# Altium PCB Einsy_Rambo.PcbDoc (part 2 of 5)
Units mm, origin at the board's own origin, x right, y up, seen from the top; angles counter-clockwise.
Board outline 105 x 71 mm, 6 copper layers (Top, GND, Signal Layer 1, Supply, Signal Layer 2, Bottom), stack 1.571 mm thick; 417 components, 292 nets, 1436 pads, 925 vias.
Unrouted connection lines stored in the file: 3.
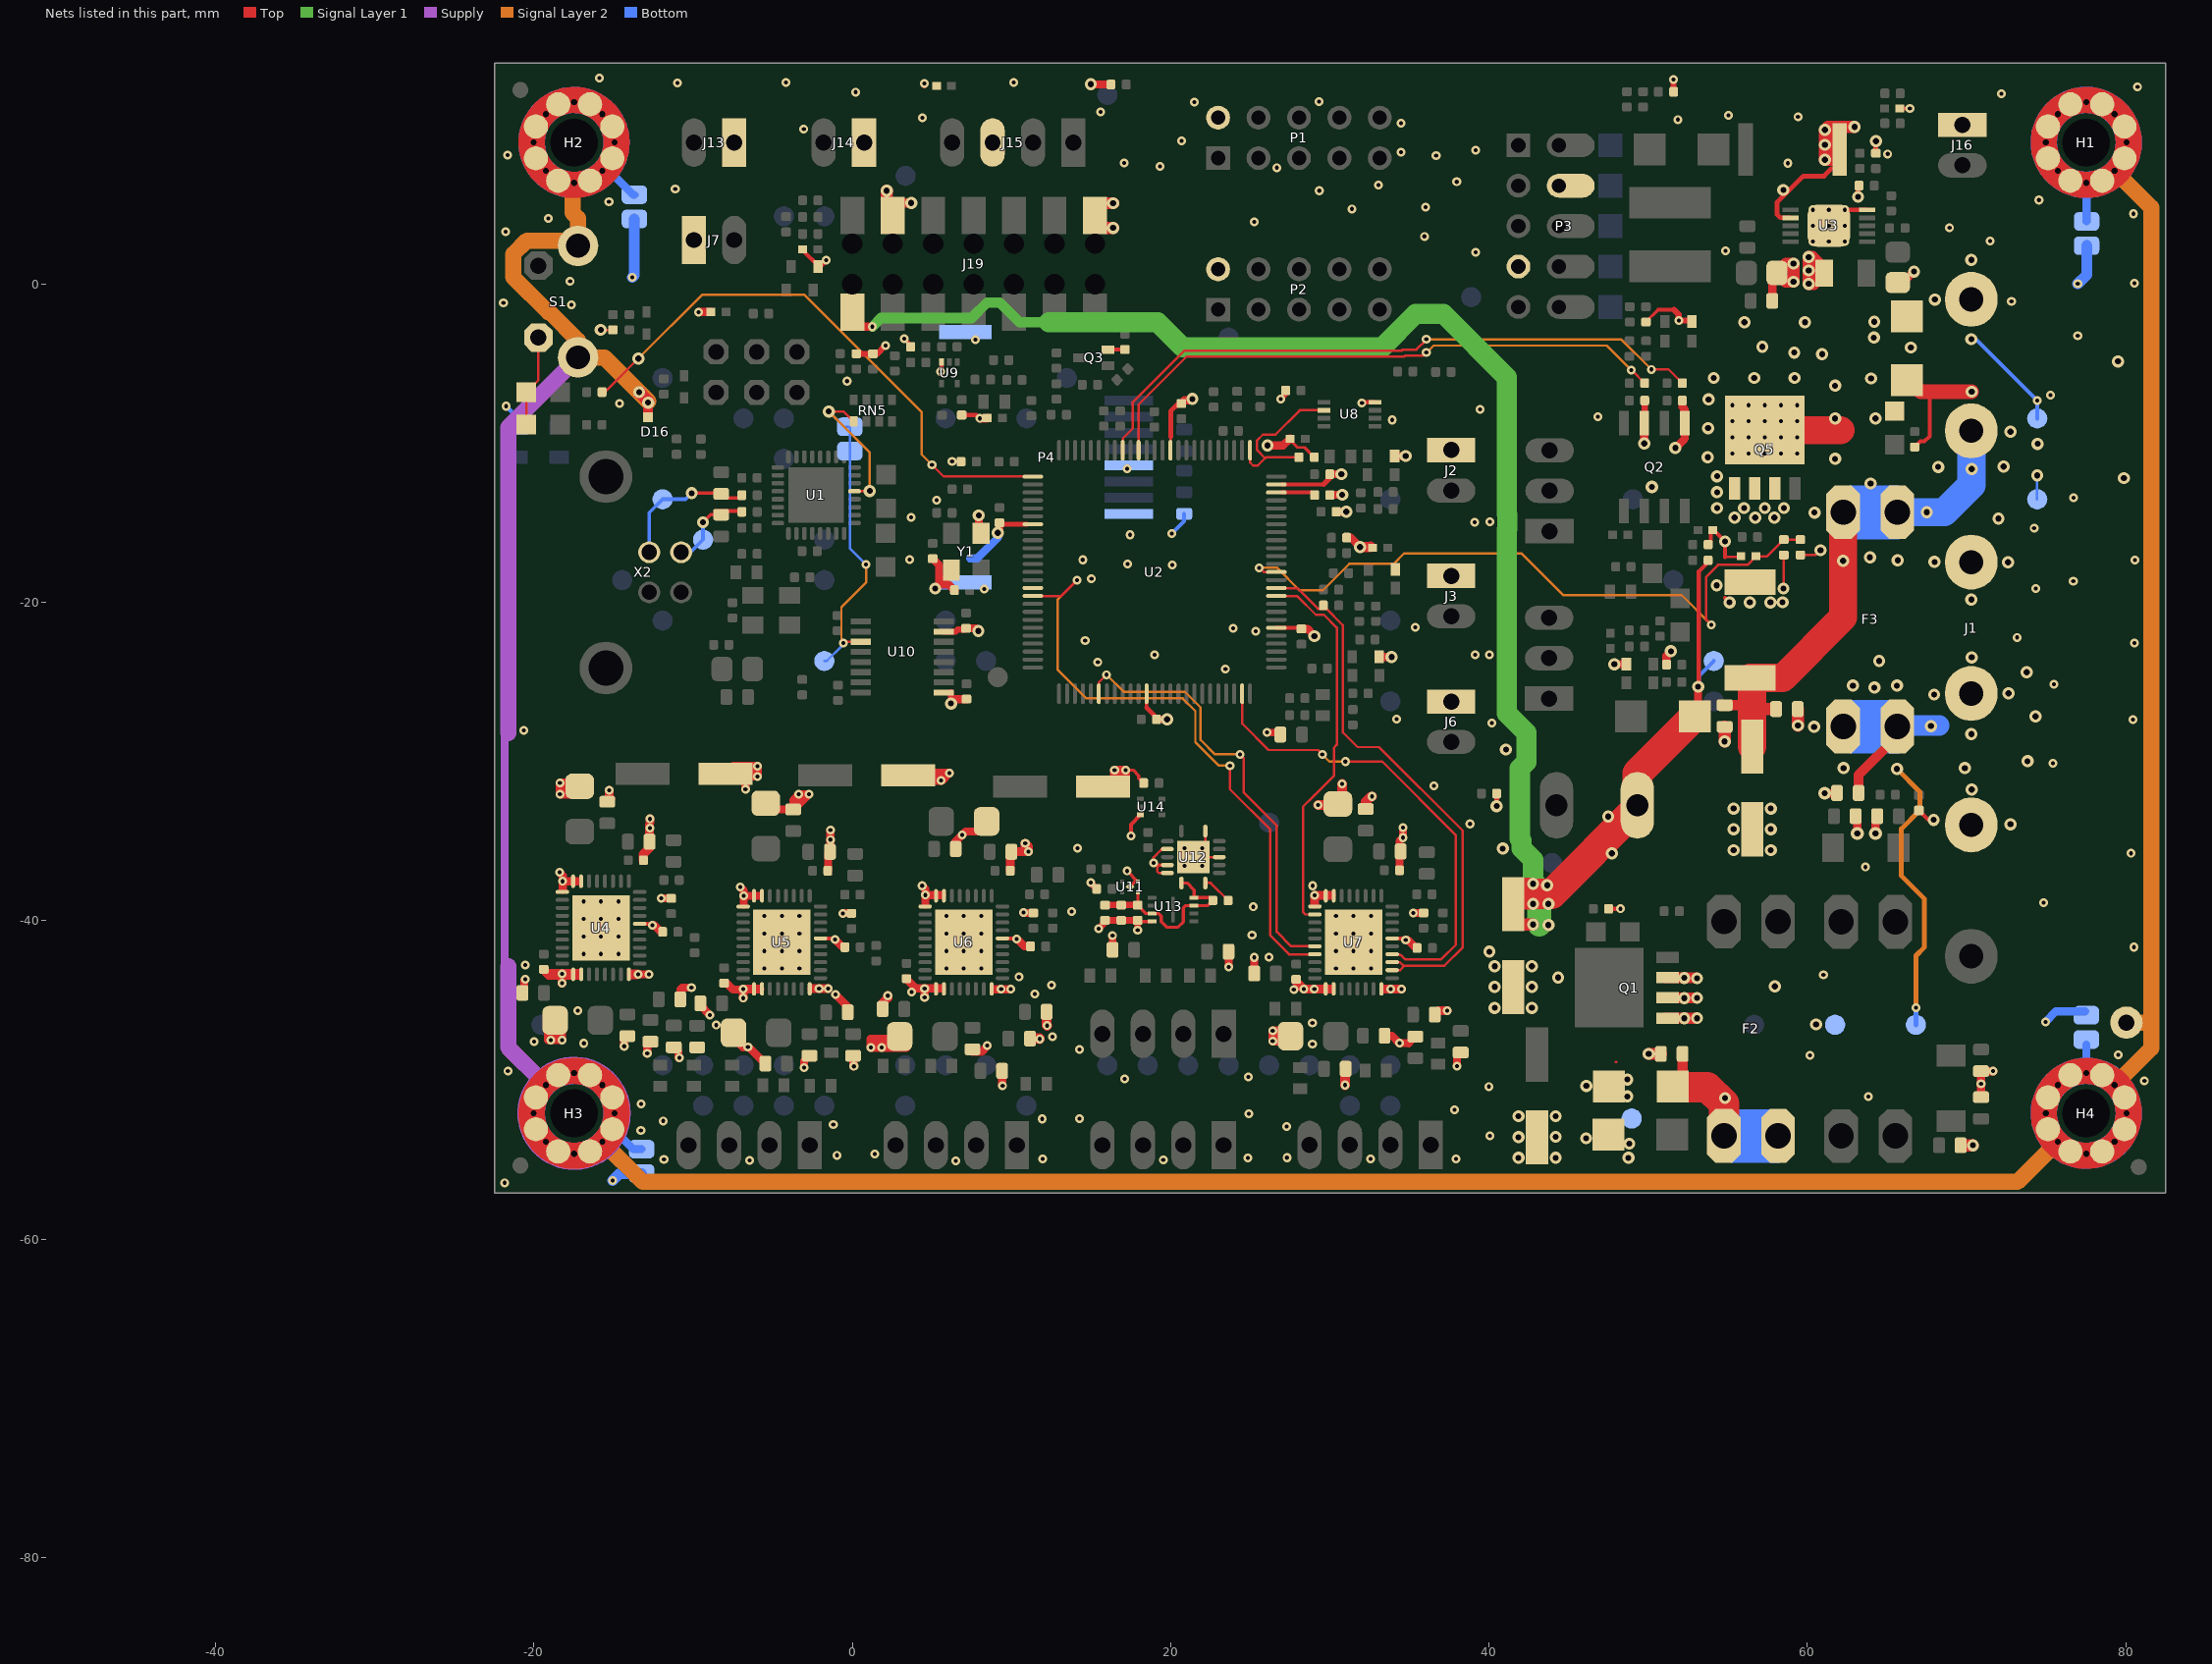
[diagram p6: the nets of this part, all layers, seen from the top]

## Part data
C1 C12 C13 C57 C58: library part 04025A220JAT2A, "CAP CER 0402 22pF 50V 5% C0G", Manufacturer=AVX, TOLERANCE=5%, DISTRIBUTOR=Digi-Key, DISTRIBUTOR #=478-1074-2-ND, EE_SPEC="22pF 5% 50V NP0 0402", MANUFACTURER #=04025A220JAT2A, PART="22pF 50V", PART DESCRIPTION="22pF ±5% 50V Ceramic Capacitor C0G, NP0 0402 (1005 Metric)"
C2 C45: library part C0805C106K8PACTU, "CAP CER 0805 10uF 10V 10% X5R", Manufacturer=Kemet, TOLERANCE="+/- 10%", DISTRIBUTOR=Digi-Key, DISTRIBUTOR #=399-4925-2-ND, EE_SPEC="10uF 10V X5R 0805", MANUFACTURER #=C0805C106K8PACTU, PART=10uF, PART DESCRIPTION="10µF ±10% 10V Ceramic Capacitor X5R 0805 (2012 Metric)"
C3 C23 C25 C28 C31 C32 C33 C36 C37 C40 C60 C62 C71 C82 C84 C85 C86 C87 C88 C89 C90 C99 C102 C104 C105 C108 C110 C111 C113 C116 C119: library part C0603C104K5RACTU, "CAP CER 0603 100nF 50V 10% X7R", Manufacturer=Kemet, TOLERANCE="+/- 10%", DISTRIBUTOR=Digi-Key, DISTRIBUTOR #=399-5089-2-ND, EE_SPEC="100nF 50V X7R 0603", MANUFACTURER #=C0603C104K5RACTU, PART=100nF, PART DESCRIPTION="0.1µF ±10% 50V Ceramic Capacitor X7R 0603 (1608 Metric)"
C4 C6 C7 C8 C9 C10 C11 C14 C15 C17 C26 C39 C41 C42 C43 C44 C46 C50 C51 C52 C53 C54 C55 C56 C59 C64 C67 C68 C69 C70 C73 C74 C77 C79 C83 C92 C94 C95 C120 C121 C122 C123 C124 C125: library part GRM155R71C104KA88D, "CAP CER 0402 100nF 16V 10% X7R", Manufacturer=Murata, TOLERANCE="+/- 10%", DISTRIBUTOR=Digi-Key, DISTRIBUTOR #=490-3261-2-ND, EE_SPEC="100nF 16V X7R 0402", MANUFACTURER #=GRM155R71C104KA88D, PART=100nF, PART DESCRIPTION="0.10µF ±10% 16V Ceramic Capacitor X7R 0402 (1005 Metric)"
C5 C18 C24 C27 C103 C109: "CAP ALUM 100UF 35V 20% SMD", Manufacturer=Nichicon, TOLERANCE="+/- 20%", DISTRIBUTOR=Digi-Key, DISTRIBUTOR #=493-2203-2-ND, EE_SPEC="100uF 35V Al-El", MANUFACTURER #=UWT1V101MCL1GS, PART=100uF, PART DESCRIPTION="100µF 35V Aluminum Capacitors Radial, Can - SMD 1000 Hrs @ 105°C"
C16 C61 C72 C76 C96: library part GRM155R60J105KE19D, "CAP CER 0402 1uF 6.3V 10% X5R", Manufacturer=Murata, TOLERANCE="+/- 10%", DISTRIBUTOR=Digi-Key, DISTRIBUTOR #=490-1320-2-ND, EE_SPEC="1uF 6.3V X5R 0402", MANUFACTURER #=GRM155R60J105KE19D, PART=1uF, PART DESCRIPTION="1µF ±10% 6.3V Ceramic Capacitor X5R 0402 (1005 Metric)"
C29 C34 C38 C91: library part GCM155R71H223KA55D, "CAP CER 0402 22nF ±10% 50V X7R", Manufacturer=YAGEO, TOLERANCE="+/- 10%", DISTRIBUTOR=Digi-Key, DISTRIBUTOR #=490-4763-2-ND, EE_SPEC="22nF 50V X7R 0402", MANUFACTURER #=GCM155R71H223KA55D, PART=22nF, PART DESCRIPTION="0.022µF ±10% 50V Ceramic Capacitor X7R 0402 (1005 Metric)"
C30: library part C1206C475K5PACTU, "CAP CER 1206 4.7uF 50V 10% X5R", Manufacturer=Kemet, TOLERANCE="+/- 10%", DISTRIBUTOR=Digi-Key, DISTRIBUTOR #=399-5507-2-ND, EE_SPEC="4.7uF 50V X5R 1206", MANUFACTURER #=C1206C475K5PACTU, PART=4.7uF, PART DESCRIPTION="4.7µF ±10% 50V Ceramic Capacitor X5R 1206 (3216 Metric)"
C35: library part GRM21BR71H105KA12L, "CAP CER 0805 1uF 50V 10% X7R", Manufacturer=Murata, TOLERANCE="+/- 10%", DISTRIBUTOR=Digi-Key, DISTRIBUTOR #=490-4736-2-ND, EE_SPEC="1uF 50V X7R 0805", MANUFACTURER #=GRM21BR71H105KA12L, PART=1uF, PART DESCRIPTION="1µF ±10% 50V Ceramic Capacitor X7R 0805 (2012 Metric)"
C49 C63 C81: library part CC0402KRX7R8BB472, "CAP CER 0402 4.7nF 25V 10% X7R", Manufacturer=YAGEO, TOLERANCE="+/- 10%", DISTRIBUTOR=Digi-Key, DISTRIBUTOR #=311-1039-2-ND, EE_SPEC="4.7nF 25V X7R 0402", MANUFACTURER #=CC0402KRX7R8BB472, PART=4.7nF, PART DESCRIPTION="4700pF ±10% 25V Ceramic Capacitor X7R 0402 (1005 Metric)"
C65 C66 C75 C78 C80 C97 C98 C100 C101 C106 C107 C112 C114 C115 C117 C118: library part C0603C102K5RACTU, "CAP CER 0603  1nF 50v 10% X7R", Manufacturer=Kemet, TOLERANCE="+/- 10%", DISTRIBUTOR=Digi-Key, DISTRIBUTOR #=399-1082-2-ND, EE_SPEC="1nF 50V X7R 0603", MANUFACTURER #=C0603C102K5RACTU, PART=1nF, PART DESCRIPTION="1000pF ±10% 50V Ceramic Capacitor X7R 0603 (1608 Metric)"
C93: library part C1608JB0J106K080AB, "CAP CER 10UF 6.3V 10% JB 0603", Manufacturer=TDK, TOLERANCE="+/- 10%", DISTRIBUTOR=Digi-Key, DISTRIBUTOR #=445-11185-1-ND, EE_SPEC=6.3VDC, MANUFACTURER #=C1608JB0J106K080AB, PART="10uF 6.3VDC", PART DESCRIPTION="CAP CER 10UF 6.3V 10% JB 0603"
C126 C127 C128: library part "1uF 0402 6.3V X5R", "CAP CER 0402 1uF 6.3V 10% X5R", Manufacturer=Murata, MANUFACTURER #=GRM155R60J105KE19D, TOLERANCE=10%, DISTRIBUTOR=Digikey, DISTRIBUTOR #=490-1320-2-ND, EE_SPEC=6.3V, PART="1uF 6.3V X5R 0402", PART DESCRIPTION="1µF ±10% 6.3V Ceramic Capacitor X5R 0402 (1005 Metric)"
C129 C130 C131: library part "100nF 0402 16V X7R", "CAP CER 0402 100nF 16V 10% X7R", Manufacturer=Murata, MANUFACTURER #=GRM155R71C104KA88D, TOLERANCE=10%, DISTRIBUTOR=Digikey, DISTRIBUTOR #=490-3261-2-ND, EE_SPEC=16V, PART="0.1uF 16V X7R 0402", PART DESCRIPTION="0.10µF ±10% 16V Ceramic Capacitor X7R 0402 (1005 Metric)"
D1 D5 D11 D12 D13 D14 D15 D33 D34 D35 D36 D37: library part BAT54WT-7, "Diode Schottky 30V 100mA Surface Mount SOD-523", Manufacturer="Diodes Incorporated", TOLERANCE=NA, DISTRIBUTOR=Digi-Key, DISTRIBUTOR #=BAT54WT-7DI-ND, EE_SPEC="30V 0.1A", MANUFACTURER #=BAT54WT-7, PART=BAT54, PART DESCRIPTION="Diode Schottky 30V 100mA Surface Mount SOD-523"
D2 D8: "TVS DIODE 28VWM 45.4VC SMA", Manufacturer="Diodes Inc", MANUFACTURER #=SMAJ28A-13-F, TOLERANCE=NA, DISTRIBUTOR=Digi-Key, DISTRIBUTOR #=SMAJ28A-FDITR-ND, EE_SPEC="28Vrs 45.4Vc", PART=SMAJ28A, PART DESCRIPTION="TVS DIODE 28VWM 45.4VC SMA"
D3 D4: "DIODE SOD523", Manufacturer=Fairchild, TOLERANCE=NA, DISTRIBUTOR=Digi-Key, DISTRIBUTOR #=1N4148WTTR-ND, EE_SPEC="75V 0.2A", MANUFACTURER #=1N4148WT, PART=1N4148WT, PART DESCRIPTION="DIODE GEN PURP 75V 200MA SOD523F"
D6 D9 D10: library part SK310A, "DIODE Schottky 3A SMA", Manufacturer=MCC, MANUFACTURER #=SK310A-LTP, TOLERANCE=NA, DISTRIBUTOR=Digi-Key, DISTRIBUTOR #=SK310A-LTPMSTR-ND, EE_SPEC="3A 100V", PART=SK310A, PART DESCRIPTION="Diode Schottky 100V 3A Surface Mount DO-214AC (SMA)"
D7: "DIODE DO-214AB", Manufacturer="Diodes Incorporated", TOLERANCE=NA, DISTRIBUTOR=Digi-Key, DISTRIBUTOR #=S3A-FDITR-ND, EE_SPEC="50V 3A 1.15Vf", MANUFACTURER #=S3A-13-F, PART=S3A-13-F, PART DESCRIPTION="Diode Standard 50V 3A Surface Mount SMC"
D16: "DIODE TVS", Manufacturer=Rohm, TOLERANCE=NA, DISTRIBUTOR=Digi-Key, DISTRIBUTOR #=RSB39VTE-17TR-ND, EE_SPEC="30Vrs 35.1Vbd 30pF", MANUFACTURER #=RSB39VTE-17, PART=30V, PART DESCRIPTION="TVS DIODE 30VWM SOD323"
F1 F2 F3: "FUSE PTH ATO", Manufacturer=Keystone, TOLERANCE=NA, DISTRIBUTOR=Digi-Key, DISTRIBUTOR #=36-3557-2-ND, EE_SPEC="ATC 500V 30A", MANUFACTURER #=3557-2, PART=Fuse, PART DESCRIPTION="FUSE BLOCK BLADE 500V 30A PCB"
FB1 FB2: "FERRITE BEAD 1806 60ohm", Manufacturer=Murata, TOLERANCE=NA, DISTRIBUTOR=Digi-Key, DISTRIBUTOR #=490-1058-2-ND, EE_SPEC="60R 6A 0.009Ohm", MANUFACTURER #=BLM41PG600SN1L, PART=60Rf, PART DESCRIPTION="FERRITE BEAD 60 OHM 1806 1LN"
FB3 FB4 FB5 FB6 FB7 FB8 FB9 FB10 FB11 FB12 FB13 FB14 FB15 FB16 FB17 FB18 FB19 FB20 FB21 FB22 FB23: library part "FERRITE 120R 3A 0603", "FERRITE BEAD 120 OHM 0603 1LN", Manufacturer=Samsung, MANUFACTURER #=CIS10P121AC, TOLERANCE=-NA-, DISTRIBUTOR #=1276-6351-2-ND, EE_SPEC=3A, PART="FERRITE 120R 3A 0603", PART DESCRIPTION="FERRITE BEAD 120 OHM 0603 1LN"
  FB3 FB4 FB5: DISTRIBUTOR=DigiKey
  FB6 FB7 FB8 FB9 FB10 FB11 FB12 FB13 FB14 FB15 FB16 FB17 FB18 FB19 FB20 FB21 FB22 FB23: DISTRIBUTOR=Digikey
FB24 FB25 FB26 FB27 FB28 FB29 FB30 FB31 FB32 FB33 FB34 FB35 FB36 FB37 RV8 RV18: library part "FERRITE 120R 1A 0402", "FERRITE BEAD 120 OHM 0402 1LN", Manufacturer="Taiyo Yuden", MANUFACTURER #=BKP1005HS121-T, TOLERANCE=-NA-, DISTRIBUTOR=Digikey, DISTRIBUTOR #=587-1921-2-ND, EE_SPEC=1A, PART="FERRITE 120R 1A 0402", PART DESCRIPTION="FERRITE BEAD 120 OHM 0402 1LN"
FID1 FID2 FID3: "Fiducial"
J1: "CONN BARRIER STRIP 6CIRC 0.325\"", Manufacturer=TE, MANUFACTURER #=4DB-P108-06, TOLERANCE=NA, DISTRIBUTOR=Digi-Key, DISTRIBUTOR #=A98476-ND, EE_SPEC="150V 2A", PART=6POS, PART DESCRIPTION="6 Circuit 0.325\" (8.26mm) Barrier Block Connector, Screws with Captive Plate"
J2 J3 J6 J7 J13 J14 J16: library part "CONN 2PIN VERT 0.1\" SHRD LOCKING PIN-IN-PASTE", "Connector 2pos", Manufacturer=Molex, MANUFACTURER #=0705430001, TOLERANCE=-NA-, DISTRIBUTOR=Digikey, DISTRIBUTOR #=WM4800-ND, EE_SPEC=-NA-, PART="2 Pin Conn", PART DESCRIPTION="2 Positions Header, Shrouded Connector 0.100\" (2.54mm) Through Hole Gold"
J4 J5: library part "CONN 3POS VERT 0.1\" SHRD LOCKING PIN-IN-PASTE", "3 Positions Header, Shrouded Connector 0.100\" (2.54mm) Through Hole Gold", Manufacturer=Molex, MANUFACTURER #=0705430002, TOLERANCE=-NA-, DISTRIBUTOR=Digikey, DISTRIBUTOR #=WM4801-ND, EE_SPEC=-NA-, PART="3 Pin Conn VERT", PART DESCRIPTION="3 Positions Header, Shrouded Connector 0.100\" (2.54mm) Through Hole Gold"
J8 J9 J10 J11 J12 J15: library part "Molex 0705430003 PIN-IN-PASTE", "Molex 4 Pin Clip Connector"
J19: library part "CONN 14PIN 0.1\" FEMALE 2-ROW SMT BOT-ENTRY", "CONN RCPT DUAL ENTRY 14POS .100\"", Manufacturer="TE Connectivity", MANUFACTURER #=969973-7, TOLERANCE=-NA-, DISTRIBUTOR=Digikey, DISTRIBUTOR #=A107060CT-ND, EE_SPEC=-NA-, PART=HDR14, PART DESCRIPTION="14 Position Receptacle, Bottom or Top Entry Connector Gold 0.100\" (2.54mm) Surface Mount"
JP1: "SMD solder jumper"
JP3 JP4: library part "0R0 1% 0805", "RES 0.0 OHM 1/8W JUMP 0805 SMD", Manufacturer=STACKPOLE, MANUFACTURER #=RMCF0805ZT0R00, TOLERANCE=1%, DISTRIBUTOR=Digi-Key, DISTRIBUTOR #=RMCF0805ZT0R00CT-ND, EE_SPEC=0.125W, PART=0R0, PART DESCRIPTION="0 Ohms Jumper 0.125W, 1/8W Chip Resistor 0805 (2012 Metric) Automotive AEC-Q200 Thick Film"
L1: library part "IND 15uH 2.5A 0.075R", "FIXED IND 15UH 2.5A 98 MOHM SMD", Manufacturer=TDK, Manufacturer2=Coilcraft, MANUFACTURER #=VLS6045EX-150M, ManufacturerPartNumber2=XAL5050-153MEB, TOLERANCE="+/- 20%", DISTRIBUTOR=Digi-Key, DISTRIBUTOR #=445-173041-2-ND, EE_SPEC="15uH 2.5A 0.098-Ohm", PART=15uH, PART DESCRIPTION="15µH Shielded Wirewound Inductor 2.5A 98 mOhm Max Nonstandard"
LED1 LED4 LED10: library part 5988140107F, "LED 0805 Yellow", Manufacturer=Dialight, TOLERANCE=NA, DISTRIBUTOR=Digi-Key, DISTRIBUTOR #=350-2041-2-ND, EE_SPEC="2V 0.02A", MANUFACTURER #=5988140107F, PART=YEL, PART DESCRIPTION="Yellow 593nm LED Indication - Discrete 2V 0805 (2012 Metric)"
LED2 LED3 LED5 LED6: library part 5988110107F, "LED 0805 Red", Manufacturer=Dialight, TOLERANCE=NA, DISTRIBUTOR=Digi-Key, DISTRIBUTOR #=350-2038-2-ND, EE_SPEC="2.2V 0.02A", MANUFACTURER #=5988110107F, PART=RED, PART DESCRIPTION="Red 635nm LED Indication - Discrete 2.2V 0805 (2012 Metric)"
LED7: library part 5988170107F, "LED 0805 Green", Manufacturer=Dialight, TOLERANCE=NA, DISTRIBUTOR=Digi-Key, DISTRIBUTOR #=350-2044-2-ND, EE_SPEC="2V 0.02A", MANUFACTURER #=5988170107F, PART=GRN, PART DESCRIPTION="Green 566nm LED Indication - Discrete 2V 0805 (2012 Metric)"
"Net Tie1" "Net Tie2" "Net Tie3" "Net Tie4": "Net Tie", LastRevisionDate=23-Apr-2014, LastRevisionNote=ImportComponents, Published=23-Apr-2014, Publisher=UltiMachine
P1 P2 P3: library part "Header 10PIN 2ROW T-HOLE VERT SHROUDED", "CONN HEADER VERT 10POS GOLD", Manufacturer="On Shore", MANUFACTURER #=302-S101, TOLERANCE=-NA-, DISTRIBUTOR=Digikey, DISTRIBUTOR #=ED1543-ND, EE_SPEC=-NA-, PART=HDR10, PART DESCRIPTION="10 Positions Header Connector 0.100\" (2.54mm) Through Hole Gold"
P4: library part "RJ45 SMT", "CONN MOD JACK 8P8C R/A SHIELDED", Manufacturer=Amphenol, MANUFACTURER #=RJCSE538001, TOLERANCE=NA, DISTRIBUTOR=Digikey, DISTRIBUTOR #=RJCSE538001TR-ND, PART=RJ-45, PART DESCRIPTION="Jack Modular Connector 8p8c (RJ45, Ethernet) 90° Angle (Right) Shielded, EMI Finger"
Q1 Q5: library part PSMN1R8-40YLC_ClosedBotVias, "MOSFET N-CH 40V 100A LFPAK", Manufacturer=Nexperia, TOLERANCE=-NA-, DISTRIBUTOR=Digikey, DISTRIBUTOR #=1727-1052-2-ND, EE_SPEC="40V 100A 1.8mOhm", MANUFACTURER #=PSMN1R8-40YLC,115, PART DESCRIPTION="N-Channel 40V 100A (Tc) 272W (Tc) Surface Mount LFPAK56, Power-SO8"
Q2: "IC DVR LOW SIDE 8-SOIC", Manufacturer="On Semi", MANUFACTURER #=NCV8402ADDR2G, TOLERANCE=NA, DISTRIBUTOR=Digi-Key, DISTRIBUTOR #=NCV8402ADDR2GOSTR-ND, EE_SPEC="42Vmaz 2A 0.165-Ohm", PART=NCV8402, PART DESCRIPTION="IC DVR LOW SIDE 8-SOIC"
Q3: library part MMBT3904_SOT523, "TRANS NPN 60V 0.2A SOT523", Manufacturer="Diodes Incorporated", MANUFACTURER #=MMBT3904T-7-F, TOLERANCE=-NA-, DISTRIBUTOR=Digikey, DISTRIBUTOR #=MMBT3904T-FDITR-ND, EE_SPEC="40V 0.2A", PART="TRANS NPN 40V 0.2A SOT523", PART DESCRIPTION="Bipolar (BJT) Transistor NPN 40V 200mA 300MHz 150mW Surface Mount SOT-523"
R1 R2 R19 R20 R27 R34: library part RC0402FR-0722RL, "RES 0402 22r 62.5mW 1%", Manufacturer=Yageo, TOLERANCE="+/- 1%", DISTRIBUTOR=Digi-Key, DISTRIBUTOR #=311-22.0LRTR-ND, EE_SPEC="22R 1% 0402", MANUFACTURER #=RC0402FR-0722RL, PART=22R, PART DESCRIPTION="22 Ohm ±1% 0.063W, 1/16W Chip Resistor 0402 (1005 Metric) Moisture Resistant Thick Film"
R3: library part CRCW0402200KFKED, "RES 0402 200K", Manufacturer="Vishay Dale", TOLERANCE="+/- 1%", DISTRIBUTOR=Digi-Key, DISTRIBUTOR #=541-200KLTR-ND, EE_SPEC="200k 1% 0402", MANUFACTURER #=CRCW0402200KFKED, PART=200K, PART DESCRIPTION="200k Ohm ±1% 0.063W, 1/16W Chip Resistor 0402 (1005 Metric) Automotive AEC-Q200 Thick Film"
R4 R8 R12 R14: library part RC0402FR-0710RL, "RES SMD 10 OHM 1% 1/16W 0402", Manufacturer=Yageo, TOLERANCE="+/- 1%", DISTRIBUTOR=Digi-Key, DISTRIBUTOR #=311-10.0LRTR-ND, EE_SPEC="10R 1% 0402", MANUFACTURER #=RC0402FR-0710RL, PART=10R, PART DESCRIPTION="10 Ohm ±1% 0.063W, 1/16W Chip Resistor 0402 (1005 Metric) Moisture Resistant Thick Film"
R5 R31 R36 R60 R65: library part RC0402FR-074K7L, "RES SMD 4.7K OHM 1% 1/16W 0402", Manufacturer=Yageo, TOLERANCE="+/- 1%", DISTRIBUTOR=Digi-Key, DISTRIBUTOR #=311-4.7KLRTR-ND, EE_SPEC="4.7k 1% 0402", MANUFACTURER #=RC0402FR-074K7L, PART=4.7k, PART DESCRIPTION="4.7k Ohm ±1% 0.063W, 1/16W Chip Resistor 0402 (1005 Metric) Moisture Resistant Thick Film"
R6 R32 R37 R38 R39 R41 R53 R59 R63 R64 R81: library part RC0402FR-072K37L, "RES SMD 2.37K OHM 1% 1/16W 0402", Manufacturer=Yageo, TOLERANCE="+/- 1%", DISTRIBUTOR=Digi-Key, DISTRIBUTOR #=311-2.37KLRTR-ND, EE_SPEC="2.37k 1% 0402", MANUFACTURER #=RC0402FR-072K37L, PART=2.37k, PART DESCRIPTION="2.37k Ohm ±1% 0.063W, 1/16W Chip Resistor 0402 (1005 Metric) Moisture Resistant Thick Film"
R7 R10 R15 R17 R18 R22 R25 R26: library part "0.22R 1% 1206", "RES SMD 0.22 OHM 1% 1/3W 1206", Manufacturer=Panasonic, MANUFACTURER #=RUT3216FR220CS, TOLERANCE="+/- 1%", DISTRIBUTOR=Digi-Key, DISTRIBUTOR #=RUT3216FR220CS, EE_SPEC="0.22R 1% 1206", PART=0.22R, PART DESCRIPTION="RES SMD 0.22 OHM 1% 1/3W 1206"
R9 R16 R28 R29 R40 R58 R80: library part RC0402FR-071K8L, "RES SMD 1.8K OHM 1% 1/16W 0402", Manufacturer=Yageo, TOLERANCE="+/- 1%", DISTRIBUTOR=Digi-Key, DISTRIBUTOR #=311-1.80KLRTR-ND, EE_SPEC="1.8k 1% 0402", MANUFACTURER #=RC0402FR-071K8L, PART=1.8k, PART DESCRIPTION="1.8k Ohm ±1% 0.063W, 1/16W Chip Resistor 0402 (1005 Metric) Moisture Resistant Thick Film"
R11 R23 R24 R46 R47 R51 R52 R54 R61 R62 R70 R71 R77 R78 R82: library part RC0402FR-0710KP, "RES SMD 10K OHM 1% 1/16W 0402", Manufacturer=Yageo, TOLERANCE=1%, DISTRIBUTOR=Digi-Key, DISTRIBUTOR #=YAG1249TR-ND, EE_SPEC="10k 1% 0402 1/16W", MANUFACTURER #=RC0402FR-0710KP, PART="10k 1% 0402", PART DESCRIPTION="10k Ohm ±1% 0.063W, 1/16W Chip Resistor 0402 (1005 Metric) Moisture Resistant Thick Film"
  R51 R61: DNI=DNI
R13: library part RL2512FK-070R06L, "RES 0.06 OHM 1W 1% 2512 SMD", Manufacturer=Yageo, TOLERANCE=1%, DISTRIBUTOR=Digi-Key, DISTRIBUTOR #=311-0.06TTR-ND, EE_SPEC="0.06R 1% 2512", MANUFACTURER #=RL2512FK-070R06L, PART=0.6R, PART DESCRIPTION="0.06 Ohm ±1% 1W Chip Resistor 2512 (6432 Metric) Automotive AEC-Q200, Current Sense, Moisture Resistant Thick Film"
R21 R42 R48 R56 R67 R74 R75 R76: library part "RES 100R 0402 1%", "RES SMD 100 OHM 1% 1/16W 0402", Manufacturer=Yageo, MANUFACTURER #=RC0402FR-07100RL, TOLERANCE=1%, DISTRIBUTOR=Digi-Key, DISTRIBUTOR #=311-100LRTR-ND, EE_SPEC="100R 1% 0402", PART="100R 1% 0402", PART DESCRIPTION="100 Ohm ±1% 0.063W, 1/16W Chip Resistor 0402 (1005 Metric) Moisture Resistant Thick Film"
R30 R33 R35 R44 R45 R69 R73 R79: library part RC0402FR-071KL, "RES SMD 1K OHM 1% 1/16W 0402", Manufacturer=Yageo, TOLERANCE="+/- 1%", DISTRIBUTOR=Digi-Key, DISTRIBUTOR #=311-1.00KLRTR-ND, EE_SPEC="1k 1% 0402", MANUFACTURER #=RC0402FR-071KL, PART=1k, PART DESCRIPTION="1k Ohm ±1% 0.063W, 1/16W Chip Resistor 0402 (1005 Metric) Moisture Resistant Thick Film"
R43 R49 R50 R57: library part RC0402FR-07100KL, "RES 100K OHM 1% 1/16W 0402", Manufacturer=Yageo, TOLERANCE="+/- 1%", DISTRIBUTOR=Digi-Key, DISTRIBUTOR #=311-100KLRTR-ND, EE_SPEC="100K 1% 0402", MANUFACTURER #=RC0402FR-07100KL, PART=100K, PART DESCRIPTION="100k Ohm ±1% 0.063W, 1/16W Chip Resistor 0402 (1005 Metric) Moisture Resistant Thick Film"
R55 R66 R68 R83 R84: library part "10k 1% 0402", "RES SMD 10K OHM 1% 1/16W 0402", Manufacturer=Yageo, MANUFACTURER #=RC0402FR-0710KP, TOLERANCE=1%, DISTRIBUTOR #=YAG1249TR-ND, PART="10k 1% 0402", PART DESCRIPTION="10k Ohm ±1% 0.063W, 1/16W Chip Resistor 0402 (1005 Metric) Moisture Resistant Thick Film"
  R55 R66 R68 R84: DISTRIBUTOR=Digi-key, EE_SPEC="10k 1% 0402 1/16W"
  R83: DISTRIBUTOR=Digikey, EE_SPEC=1/16W
R72: library part ERJ2GEJ105X, "RES 0402 1M 100mW 5%", Manufacturer=Panasonic, TOLERANCE="+/- 1%", DISTRIBUTOR=Digi-Key, DISTRIBUTOR #=P1.0MJTR-ND, EE_SPEC="1M 1% 0402", MANUFACTURER #=ERJ2GEJ105X, PART=1M, PART DESCRIPTION="1M Ohm ±5% 0.1W, 1/10W Chip Resistor 0402 (1005 Metric) Automotive AEC-Q200 Thick Film"
R85: library part "0R 0603", "RES SMD 0.0OHM JUMPER 1/10W 0603", Manufacturer=Bourns, MANUFACTURER #=CR0603-J/-000ELF, TOLERANCE=-NA-, DISTRIBUTOR=Digikey, DISTRIBUTOR #=CR0603-J/-000ELFTR-ND, EE_SPEC="0R 0603", PART=0R, PART DESCRIPTION="0.0 Ohm Jumper 0.1W, 1/10W Chip Resistor 0603 (1608 Metric) Moisture Resistant Thick Film"
R86: "Resistor", LastRevisionDate=23-Apr-2014, LastRevisionNote=ImportComponents, Published=23-Apr-2014, Publisher=UltiMachine
R87: library part "100k 1% 0603", "RES SMD 100K OHM 1% 1/10W 0603", Manufacturer=Panasonic, MANUFACTURER #=ERJ-3EKF1003V, TOLERANCE=1%, DISTRIBUTOR=Digikey, DISTRIBUTOR #=P100KHTR-ND, EE_SPEC=1/10W, PART="100k 1% 0603", PART DESCRIPTION="100 kOhms ±1% 0.1W, 1/10W Chip Resistor 0603 (1608 Metric) Automotive AEC-Q200 Thick Film"
RN5: library part CAY16-102J4LF, "RES ARRAY 4 RES 1K 1206 62.5mW 5%", Manufacturer=Bourns, TOLERANCE="+/- 5%", DISTRIBUTOR=Digi-Key, DISTRIBUTOR #=CAY16-102J4LFTR-ND, EE_SPEC="1k 5% Array_x_4", MANUFACTURER #=CAY16-102J4LF, PART=1K, PART DESCRIPTION="1k Ohm ±5% 62.5mW Power Per Element Isolated Resistor Network/Array ±200ppm/°C 1206 (3216 Metric), Convex, Long Side Terminals"
RT1: library part R0402TBD, "Resistor", ComponentLink1URL=https://www.google.com/url?q=https%3A%2F%2Fwww.digikey.com%2Fproduct-detail%2Fen%2Ftdk-corporation%2FNTCG104LH104JT1%2F445-174317-2-ND%2F5872764&sa=D&sntz=1&usg=AFQjCNGfH4No7NyCrDfuMv9mRRvIOcXeQg, LastRevisionDate=23-Apr-2014, LastRevisionNote=ImportComponents, ManufacturerPartNumber=NTCG104LH104JT1, Published=23-Apr-2014, Publisher=UltiMachine
RV1 RV2 RV26: "VAR 0603 5V", Manufacturer=YAGEO, TOLERANCE=NA, DISTRIBUTOR=Digi-Key, DISTRIBUTOR #=CG0603MLC-05ETR-ND, EE_SPEC=5VDC, MANUFACTURER #=CG0603MLC-05E, PART=5VDC, PART DESCRIPTION="VARISTOR 0603"
RV3 RV5 RV7 RV27: "Multi-Layer Varistor", Manufacturer=Yageo, TOLERANCE=NA, DISTRIBUTOR=Digi-Key, DISTRIBUTOR #=311-1516-2-ND, EE_SPEC="5.5Vdc 12Vvar 60pF", MANUFACTURER #=VRS0402SR55R101N, PART=12V, PART DESCRIPTION="VARISTOR 12V 10A 0402"
RV24: library part "0R 0402", "RES SMD 0.0OHM JUMPER 1/10W 0402", Manufacturer=Panasonic, MANUFACTURER2#=RC0402JR-070RL, MANUFACTURER #=ERJ-2GE0R00X, TOLERANCE=1%, DISTRIBUTOR=Digikey, DISTRIBUTOR #=P0.0JTR-ND, PART=0R, PART DESCRIPTION="0.0 Ohm Jumper 0.1W, 1/10W Chip Resistor 0402 (1005 Metric) Automotive AEC-Q200 Thick Film"
S1: "SWTCH Momentary Washable", Manufacturer=TE, TOLERANCE=NA, DISTRIBUTOR=Digi-Key, DISTRIBUTOR #=506-1571610-2, EE_SPEC="24V 0.05A", MANUFACTURER #=1571610-2, PART="Tact PB R/A", PART DESCRIPTION="Tactile Switches R/A SEALED TACT SWITCH"
TP1 TP2 TP3 TP4 TP5 TP6 TP7 TP8 TP9 TP10 TP11 TP15 TP16 TP17 TP18 TP19 TP20 TP21 TP22 TP23 TP24 TP25 TP26 TP28 TP29 TP30 TP31 TP32 TP33 TP34 TP35 TP36 TP37 TP38 TP39 TP40 TP41 TP42 TP43 TP44 TP45 TP46 TP47 TP48 TP49 TP50 TP51 TP52 TP53 TP54 TP55 TP56 TP57 TP58 TP59 TP60 TP66 TP67 TP68 TP69 TP73 TP74 TP75: "Test Point"
U1: library part ATMEGA32U2-DualSolderMask, Manufacturer=Microchip, MANUFACTURER #=ATMEGA32U2-MUR, TOLERANCE=NA, DISTRIBUTOR=Digi-Key, DISTRIBUTOR #=ATMEGA32U2-MURTR-ND, EE_SPEC="5V 32KB 1KB", PART=ATMEGA32U2, PART DESCRIPTION="AVR AVR® ATmega Microcontroller IC 8-Bit 16MHz 32KB (16K x 16) FLASH 32-VQFN (5x5)"
U2: library part ATMEGA2560AU_SM, Manufacturer=Microchip, MANUFACTURER #=ATMEGA2560-16AUR, TOLERANCE=NA, DISTRIBUTOR=Digi-Key, DISTRIBUTOR #=ATMEGA2560-16AURTR-ND, EE_SPEC="5V 256KB 8KB 16MHz", PART=ATMEGA2560, PART DESCRIPTION="AVR AVR® ATmega Microcontroller IC 8-Bit 16MHz 256KB (128K x 16) FLASH 100-TQFP (14x14)"
U3: library part LM25011_ClosedBotVias, "REG BUCK", Manufacturer="Texas Instruments", TOLERANCE=-NA-, DISTRIBUTOR=Digikey, DISTRIBUTOR #=LM25011MY/NOPBTR-ND, EE_SPEC="2A 42Vin_max", MANUFACTURER #=LM25011MY/NOPB, PART="IC VREG BUCK ADJ 2A 10MSOP", PART DESCRIPTION="Buck Switching Regulator IC Positive Adjustable 2.51V 1 Output 2A 10-TFSOP, 10-MSOP (0.118\", 3.00mm Width) Exposed Pad"
U4 U5 U6 U7: library part TMC2130-DualSolderMask, "IC STEPPER MOTOR DVR SPI 36QFN", Manufacturer=Trinamic, MANUFACTURER #=TMC2130-LA-T, TOLERANCE=NA, DISTRIBUTOR=Digi-Key, DISTRIBUTOR #=1460-1130-2-ND, EE_SPEC="46V 1.2A 1/256 Step", PART=TMC2130, PART DESCRIPTION="Bipolar Motor Driver Power MOSFET SPI, Step/Direction 36-QFN (5x6)"
U8: "IC GATE AND 2CH 2-INP 8-VSSOP", Manufacturer=Nexperia, MANUFACTURER #=74LVC2G08DC,125, TOLERANCE=-NA-, DISTRIBUTOR=Digikey, DISTRIBUTOR #=1727-3560-2-ND, EE_SPEC="1.65-5.5V, 32mA, LVTTL", PART=74LVC2G08, PART DESCRIPTION="AND Gate IC 2 Channel 8-VSSOP, US8"
U9 U14: library part SN74AHCT1G125DRLR, "IC BUS BUFF TRI-ST N-INV  SOT-553", Manufacturer=TI, TOLERANCE=-NA-, DISTRIBUTOR=Digikey, DISTRIBUTOR #=296-19379-2-ND, EE_SPEC=4.5-5.5V, MANUFACTURER #=SN74AHCT1G125DRLR, PART=SN74AHCT1G125DRLR, PART DESCRIPTION="Buffer, Non-Inverting 1 Element 1 Bit per Element Push-Pull Output SOT-5"
U10: "4ch iCoupler", Manufacturer="Analog Devices", MANUFACTURER #=ADUM7441ARQZ-RL7, TOLERANCE=NA, DISTRIBUTOR=Digi-Key, DISTRIBUTOR #=ADUM7441ARQZ-RL7TR-ND, EE_SPEC="5V 1000Viso", PART=ADUM7441ARQZ, PART DESCRIPTION="General Purpose Digital Isolator 1000Vrms 4 Channel 1Mbps 15kV/µs CMTI 16-SSOP (0.154\", 3.90mm Width)"
U11: "IC REG LINEAR 3.3V 250MA 4XDFN", Manufacturer="On Semi", MANUFACTURER #=NCP160AMX330TBG, TOLERANCE=-NA-, DISTRIBUTOR=Digikey, DISTRIBUTOR #=NCP160AMX330TBGOSTR-ND, EE_SPEC=250mA, PART="IC REG LINEAR 3.3V 250MA 4XDFN", PART DESCRIPTION="Linear Voltage Regulator IC Positive Fixed 1 Output 3.3V 250mA 4-XDFN (1x1)"
U12: "IC BUS BUFF TRI-ST QD 14VQFN", Manufacturer=TI, MANUFACTURER #=SN74LVC125ARGYR, TOLERANCE=-NA-, DISTRIBUTOR=Digikey, DISTRIBUTOR #=296-13961-2-ND, EE_SPEC="1.65-3.6Vcc, 5V tolerant inputs", PART="IC BUS BUFF TRI-ST QD 14VQFN", PART DESCRIPTION="Buffer, Non-Inverting 4 Element 1 Bit per Element Push-Pull Output 14-VQFN (3.5x3.5)"
U13: library part W25X20CL, "IC FLASH 2MBIT 104MHZ 8USON", Manufacturer=Winbond, MANUFACTURER #="W25X20CLUXIG TR", TOLERANCE=-NA-, DISTRIBUTOR=Digikey, DISTRIBUTOR #=W25X20CLUXIGTR-ND, EE_SPEC=3.3V, PART="IC FLASH 2MBIT 104MHZ 8USON", PART DESCRIPTION="FLASH Memory IC 2Mb (256K x 8) SPI 104MHz 8-USON (2x3)"
X2: "USB connector B PTH", Manufacturer=FCI, MANUFACTURER #=61729-0010BLF, TOLERANCE=NA, DISTRIBUTOR=Digi-Key, DISTRIBUTOR #=609-1039-ND, EE_SPEC="USB-B T-Hole R/A", PART=USB-B, PART DESCRIPTION="USB - B USB 2.0 Receptacle Connector 4 Position Through Hole, Right Angle"
X13: "Conn - 5.08mm Pitch Fixed", Manufacturer=Molex, TOLERANCE=NA, DISTRIBUTOR=Digi-Key, DISTRIBUTOR #=WM7837-ND, EE_SPEC="300V 15A 0.2\"", MANUFACTURER #=0395311002, PART=2POS, PART DESCRIPTION="2 Position Terminal Block Header, Male Pins, Shrouded (4 Side) 0.200\" (5.08mm) Vertical Through Hole"
X17: "CONN HEADER VERT 6POS GOLD", Manufacturer=MultiComp, MANUFACTURER #=2213S-06G, TOLERANCE=NA, DISTRIBUTOR=Newark, DISTRIBUTOR #=08N6789, EE_SPEC="10Pin 2Row 0.1\" T-Hole", PART=6PIN, PART DESCRIPTION="6 Positions Header Connector 0.100\" (2.54mm) Through Hole Gold"
Y1 Y2: "Crystal 16mHz 10ppm 10pF", Manufacturer=TXC, TOLERANCE=10ppm, DISTRIBUTOR=Digi-Key, DISTRIBUTOR #=887-1319-2-ND, EE_SPEC="10ppm 10pF 80R", MANUFACTURER #=7M-16.000MEEQ-T, PART=16MHz, PART DESCRIPTION="CRYSTAL 16.0000MHZ 10PF SMD"

## Free pads (board coordinates)
  round 2.032 hole 1.016: 0(80.046,-46.399)
  round 1.524 on Mech16: ""(-47.479,-82.099) ""(-22.485,-57.106) ""(-11.019,2.901) ""(-7.613,-6.723) ""(-5.939,8.901) ""(-2.669,-53.099) ""(-0.519,2.901) ""(4.561,8.901) ""(5.861,-8.439) ""(6.931,-6.723) ""(8.401,-8.439) ""(9.981,2.901) ""(10.331,-53.099) ""(10.941,-8.439) ""(15.061,8.901) ""(22.981,-1.607) ""(22.981,7.918) ""(23.331,-53.099) ""(23.331,-46.099) ""(36.341,-53.089) ""(37.621,-26.229) ""(37.621,-18.329) ""(37.621,-10.429) ""(41.396,-4.959) ""(43.783,-26.041) ""(43.809,-15.526) ""(49.32,-32.747)
  round 0.762 on Mech16: ""(-18.214,-38.192) ""(-6.851,-39.106) ""(-4.02,-15.665) ""(4.579,-39.106) ""(29.065,-39.106) ""(51.231,-46.116) ""(61.466,2.666) ""(70.301,-0.959)
  round 0.508 on Top Overlay: ""(-17.882,-44.958) ""(-17.882,-36.779) ""(-14.859,-36.779) ""(-14.173,-44.348) ""(-6.375,-44.907) ""(-6.02,-37.77) ""(-4.47,1.854) ""(-3.353,-37.795) ""(-2.896,-46.152) ""(-1.88,-1.118) ""(4.953,-46.05) ""(4.978,-37.795) ""(8.407,-37.668) ""(8.56,-46.406) ""(29.388,-44.983) ""(29.464,-37.77) ""(30.734,-22.758) ""(31.75,-10.109) ""(31.804,-17.243) ""(32.639,-46.482) ""(32.817,-37.719) ""(33.376,-25.476) ""(34.741,-19.768) ""(34.798,-12.624) ""(47.981,-25.705) ""(49.251,7.112) ""(50.14,-1.499) ""(50.521,-22.962) ""(52.248,-52.172) ""(52.883,-49.378) ""(53.391,-4.242) ""(53.823,-25.857) ""(59.461,-25.527) ""(67.412,-10.312)
  round 1.905 on Mech16: ""(-11.919,-13.519) ""(-9.379,-16.059) ""(-4.299,-31.299) ""(3.321,-3.359) ""(5.861,-31.299) ""(26.181,-31.299)
  round 0.762 on Top Overlay: ""(-8.769,-8.134) ""(24.994,-9.347)
  round 0.5 on Top Overlay: ""(7.106,-28.785) ""(7.106,-6.509) ""(30.194,-28.785)
  round 1.27 on Mech16: ""(41.421,-0.819)

## Via types
v1: diameter 0.559, hole 0.254, Top to Bottom, tented both sides, 329 vias
v2: diameter 0.559, hole 0.254, Top to Bottom, 314 vias
v3: diameter 0.762, hole 0.381, Top to Bottom, 232 vias
v4: diameter 0.762, hole 0.381, Top to Bottom, tented both sides, 42 vias
v5: diameter 0.737, hole 0.381, Top to Bottom, tented both sides, 4 vias
v6: diameter 0.813, hole 0.381, Top to Bottom, tented both sides, 4 vias

## Nets (pads, with @x,y where several pads share a name; then routed paths per layer and width w, separated by ;. In a path a pad name is that pad's centre, name@x,y a point inside that pad or via, vN(x,y) a via of type N, cw(c..) or ccw(c..) an arc to the next point about the centre after c; other vN are vias at no path point)
3V3: C126.2 C127.2 C130.2 C131.1 U11.1 U12.14 U13.3 U13.7 U13.8 | length 12.3
  Top w0.203: U11.1@17.94,-38.205 17.94,-39.002 C130.2@17.925,-39.017 18.458,-39.55 U13.3@18.83,-39.55 19.25,-39.55 19.41,-39.71 19.41,-40.06 19.755,-40.405 20.47,-40.405 20.8,-40.075 20.8,-39.2 20.95,-39.05 U13.7@21.47,-39.05 22.325,-39.05 C131.1@22.65,-38.725 22.475,-38.55 U13.8@21.47,-38.55 21.47,-38.07 21.031,-37.631 U12.14@20.675,-37.631
  Top w0.406: C126.2@15.875,-39.017 C127.2@16.9,-39.017 C130.2@17.925,-39.017
+12V2: C60.1 C103.1 D6.C D8.K F2.2 J19.1 R40.1 R66.2 TP3.TP X13.1 | length 132.1
  Top w0.254: v3@42.742,-38.919 v3@43.555,-38.919 ; R40.1@47.514,-39.249 v2(48.254,-39.249) ; v3@53.181,-25.298 53.181,-18.047 53.715,-17.514 R66.2@53.715,-17.355
  Top w0.508: J19.1@0.273,-2.673 v2(1.264,-2.673) ; D6.C@52.921,-27.159 D6.C@53.137,-26.943 ; v3(53.137,-25.298) D6.C@53.137,-26.943 ; D6.C@53.181,-26.898 D6.C@53.137,-26.943
  Top w0.635: D8.K@52.159,-49.791 C60.1@52.159,-48.368
  Top w0.762: C103.1@41.218,-37.675 v3(42.767,-37.675) ; C103.1@41.294,-38.919 v3@42.742,-38.919 ; C103.1@41.472,-40.24 v3(42.767,-40.24)
  Top w1.905: C103.1@41.802,-38.31 43.936,-38.31 49.32,-32.925 X13.1@49.32,-32.747 49.32,-30.759 D6.C@52.921,-27.159 ; D8.K@51.542,-50.459 53.723,-50.459 54.755,-51.491 F2.2@54.755,-53.514
  Signal Layer 1 w0.66: v2(1.264,-2.673) 1.803,-2.134 7.493,-2.134 8.458,-1.168 9.271,-1.168 10.49,-2.388 12.35,-2.388
  Signal Layer 1 w0.762: v3(42.767,-40.24) 43.148,-40.24
  Signal Layer 1 w1.27: 12.35,-2.388 19.177,-2.388 20.752,-3.962 33.299,-3.962 35.382,-1.88 37.135,-1.88 41.123,-5.867 41.123,-14.457 41.148,-14.483 41.148,-15.388 41.123,-15.413 41.123,-26.96 42.342,-28.18 42.342,-30.023 41.935,-30.429 41.935,-34.85 42.056,-34.97 42.056,-35.452 42.767,-36.163 v3(42.767,-37.675)
  Signal Layer 1 w1.524: v3(42.767,-37.675) 43.148,-38.056 43.148,-40.24
  Bottom w0.254: v3(53.137,-25.298) 53.181,-25.254 53.181,-24.619 TP3.TP@54.121,-23.679
  Bottom w1.016: F2.2@54.755,-53.514 F2.2@58.158,-53.514
  Bottom w2.159: F2.2@55.354,-52.915 F2.2@58.058,-52.915 ; F2.2@55.374,-54.134 F2.2@58.109,-54.134
  other v3: 54.832,-51.137 43.732,-40.265 42.767,-38.945 43.732,-38.945 43.656,-37.776 47.72,-35.77 47.492,-33.458
+12V3: C27.1 C62.1 C89.1 D7.C D10.C F3.2 J1.5 R55.2 R58.1 TP16.TP | length 50.5
  Top w0.152: C62.1@57.982,-26.758 C62.1@58.038,-26.702 ; R55.2@59.639,-17.018 60.528,-17.018 v3(60.827,-16.72)
  Top w0.254: R58.1@66.751,-10.234 67.104,-9.881 67.361,-9.881 67.678,-9.563 67.678,-6.928 67.843,-6.763
  Top w0.635: C89.1@54.807,-26.454 56.286,-26.454
  Top w0.762: 56.534,-26.702 C62.1@58.038,-26.702
  Top w0.914: D10.C@66.243,-5.886 67.12,-6.763 67.843,-6.763 v3(70.326,-6.763)
  Top w1.778: C27.1@56.534,-29.055 56.534,-26.702 56.534,-24.888 D7.C@56.39,-24.744 58.441,-24.744 62.249,-20.936 v3(62.249,-17.38) F3.2@62.249,-14.332 F3.2@62.249,-14.268
  Bottom w0.152: TP16.TP@74.441,-13.519 v3(74.441,-12.021)
  Bottom w1.778: F3.2@62.249,-14.332 F3.2@65.653,-14.332 v3(67.507,-14.332) 68.599,-14.332 70.301,-12.63 J1.5@70.301,-9.214
  Bottom w2.159: F3.2@62.849,-13.732 F3.2@65.552,-13.732 ; F3.2@62.869,-14.952 F3.2@65.603,-14.952
  other v3: 65.678,-17.355 63.932,-17.17 72.003,-14.738 60.446,-14.357 63.976,-12.529 70.326,-11.614 68.218,-11.487 72.333,-11.462 74.466,-10.039 72.765,-9.277
ACTIVE: R73.2 U2.26 | length 35.5
  Top w0.152: R73.2@-15.723,-6.788 -15.551,-6.788 v3(-13.443,-4.68) ; v1(5.004,-11.354) 5.741,-12.091 U2.26@10.987,-12.091
  Signal Layer 2 w0.152: v3(-13.443,-4.68) -9.423,-0.66 -3.023,-0.66 4.343,-8.026 4.343,-10.693 v1(5.004,-11.354)
AREF: C6.1 U2.98 | length 2.1
  Top w0.152: C6.1@28.838,-13.091 C6.1@29.046,-13.299
  Top w0.254: U2.98@26.988,-13.091 C6.1@28.838,-13.091
BED-HEAT: R57.2 U2.1 U8.6 | length 10.5
  Top w0.152: U2.1@24.987,-10.441 24.987,-11.212 25.175,-11.4 25.475,-11.4 25.937,-10.938 ; R57.2@28.061,-10.878 25.997,-10.878 25.937,-10.938 ; U8.6@29.642,-7.929 28.114,-7.929 26.586,-9.456 25.794,-9.456 25.425,-9.825 25.425,-10.425 25.937,-10.938
BED-IN: C88.1 F3.1 J1.3 TP68.TP | length 35.4
  Top w0.61: C88.1@63.215,-31.979 C88.1@63.221,-31.972 63.221,-30.836 65.653,-28.404 F3.1@65.653,-27.794
  Signal Layer 2 w0.305: v3(65.627,-30.461) 67.062,-31.896 67.062,-33.064 65.913,-34.214 65.913,-37.186 67.354,-38.627 67.354,-41.662 66.821,-42.196 v2(66.821,-45.472)
  Bottom w0.254: 67.812,-28.213 68.294,-27.73
  Bottom w0.305: TP68.TP@66.821,-46.539 v2(66.821,-45.472)
  Bottom w1.27: F3.1@62.249,-27.794 65.589,-27.794 65.653,-27.73 68.294,-27.73
  Bottom w2.159: F3.1@62.849,-27.194 F3.1@65.552,-27.194 ; F3.1@62.869,-28.414 F3.1@65.603,-28.414
  other v3: 62.274,-30.41 69.894,-30.41 73.831,-29.978 70.301,-28.277 60.42,-27.819 67.761,-27.769 74.339,-27.159 67.964,-25.787 72.638,-25.711 64.211,-25.349 62.859,-25.229 65.627,-25.229 73.781,-24.39 64.51,-23.679 70.326,-23.451
BED-OUT: D10.A J1.6 LED6.C Q5.TAB TP18.TP | length 13.4
  Top w1.778: Q5.TAB@57.296,-9.182 62.078,-9.182 ; Q5.TAB@57.325,-9.156 Q5.TAB@59.357,-9.156
  Bottom w0.254: v3@70.58,-3.461 v2(74.441,-7.322) TP18.TP@74.441,-8.439
  other v2: 55.293,-10.655 56.309,-10.655 57.325,-10.655 58.341,-10.655 59.357,-10.655 55.293,-9.639 56.309,-9.639 57.325,-9.639 58.341,-9.639 59.357,-9.639 55.293,-8.623 56.309,-8.623 57.325,-8.623 58.341,-8.623 59.357,-8.623 55.293,-7.607 56.309,-7.607 57.325,-7.607 58.341,-7.607 59.357,-7.607